# Altium PCB PrototypeSingle.PcbDoc (part 2 of 3) (continued)
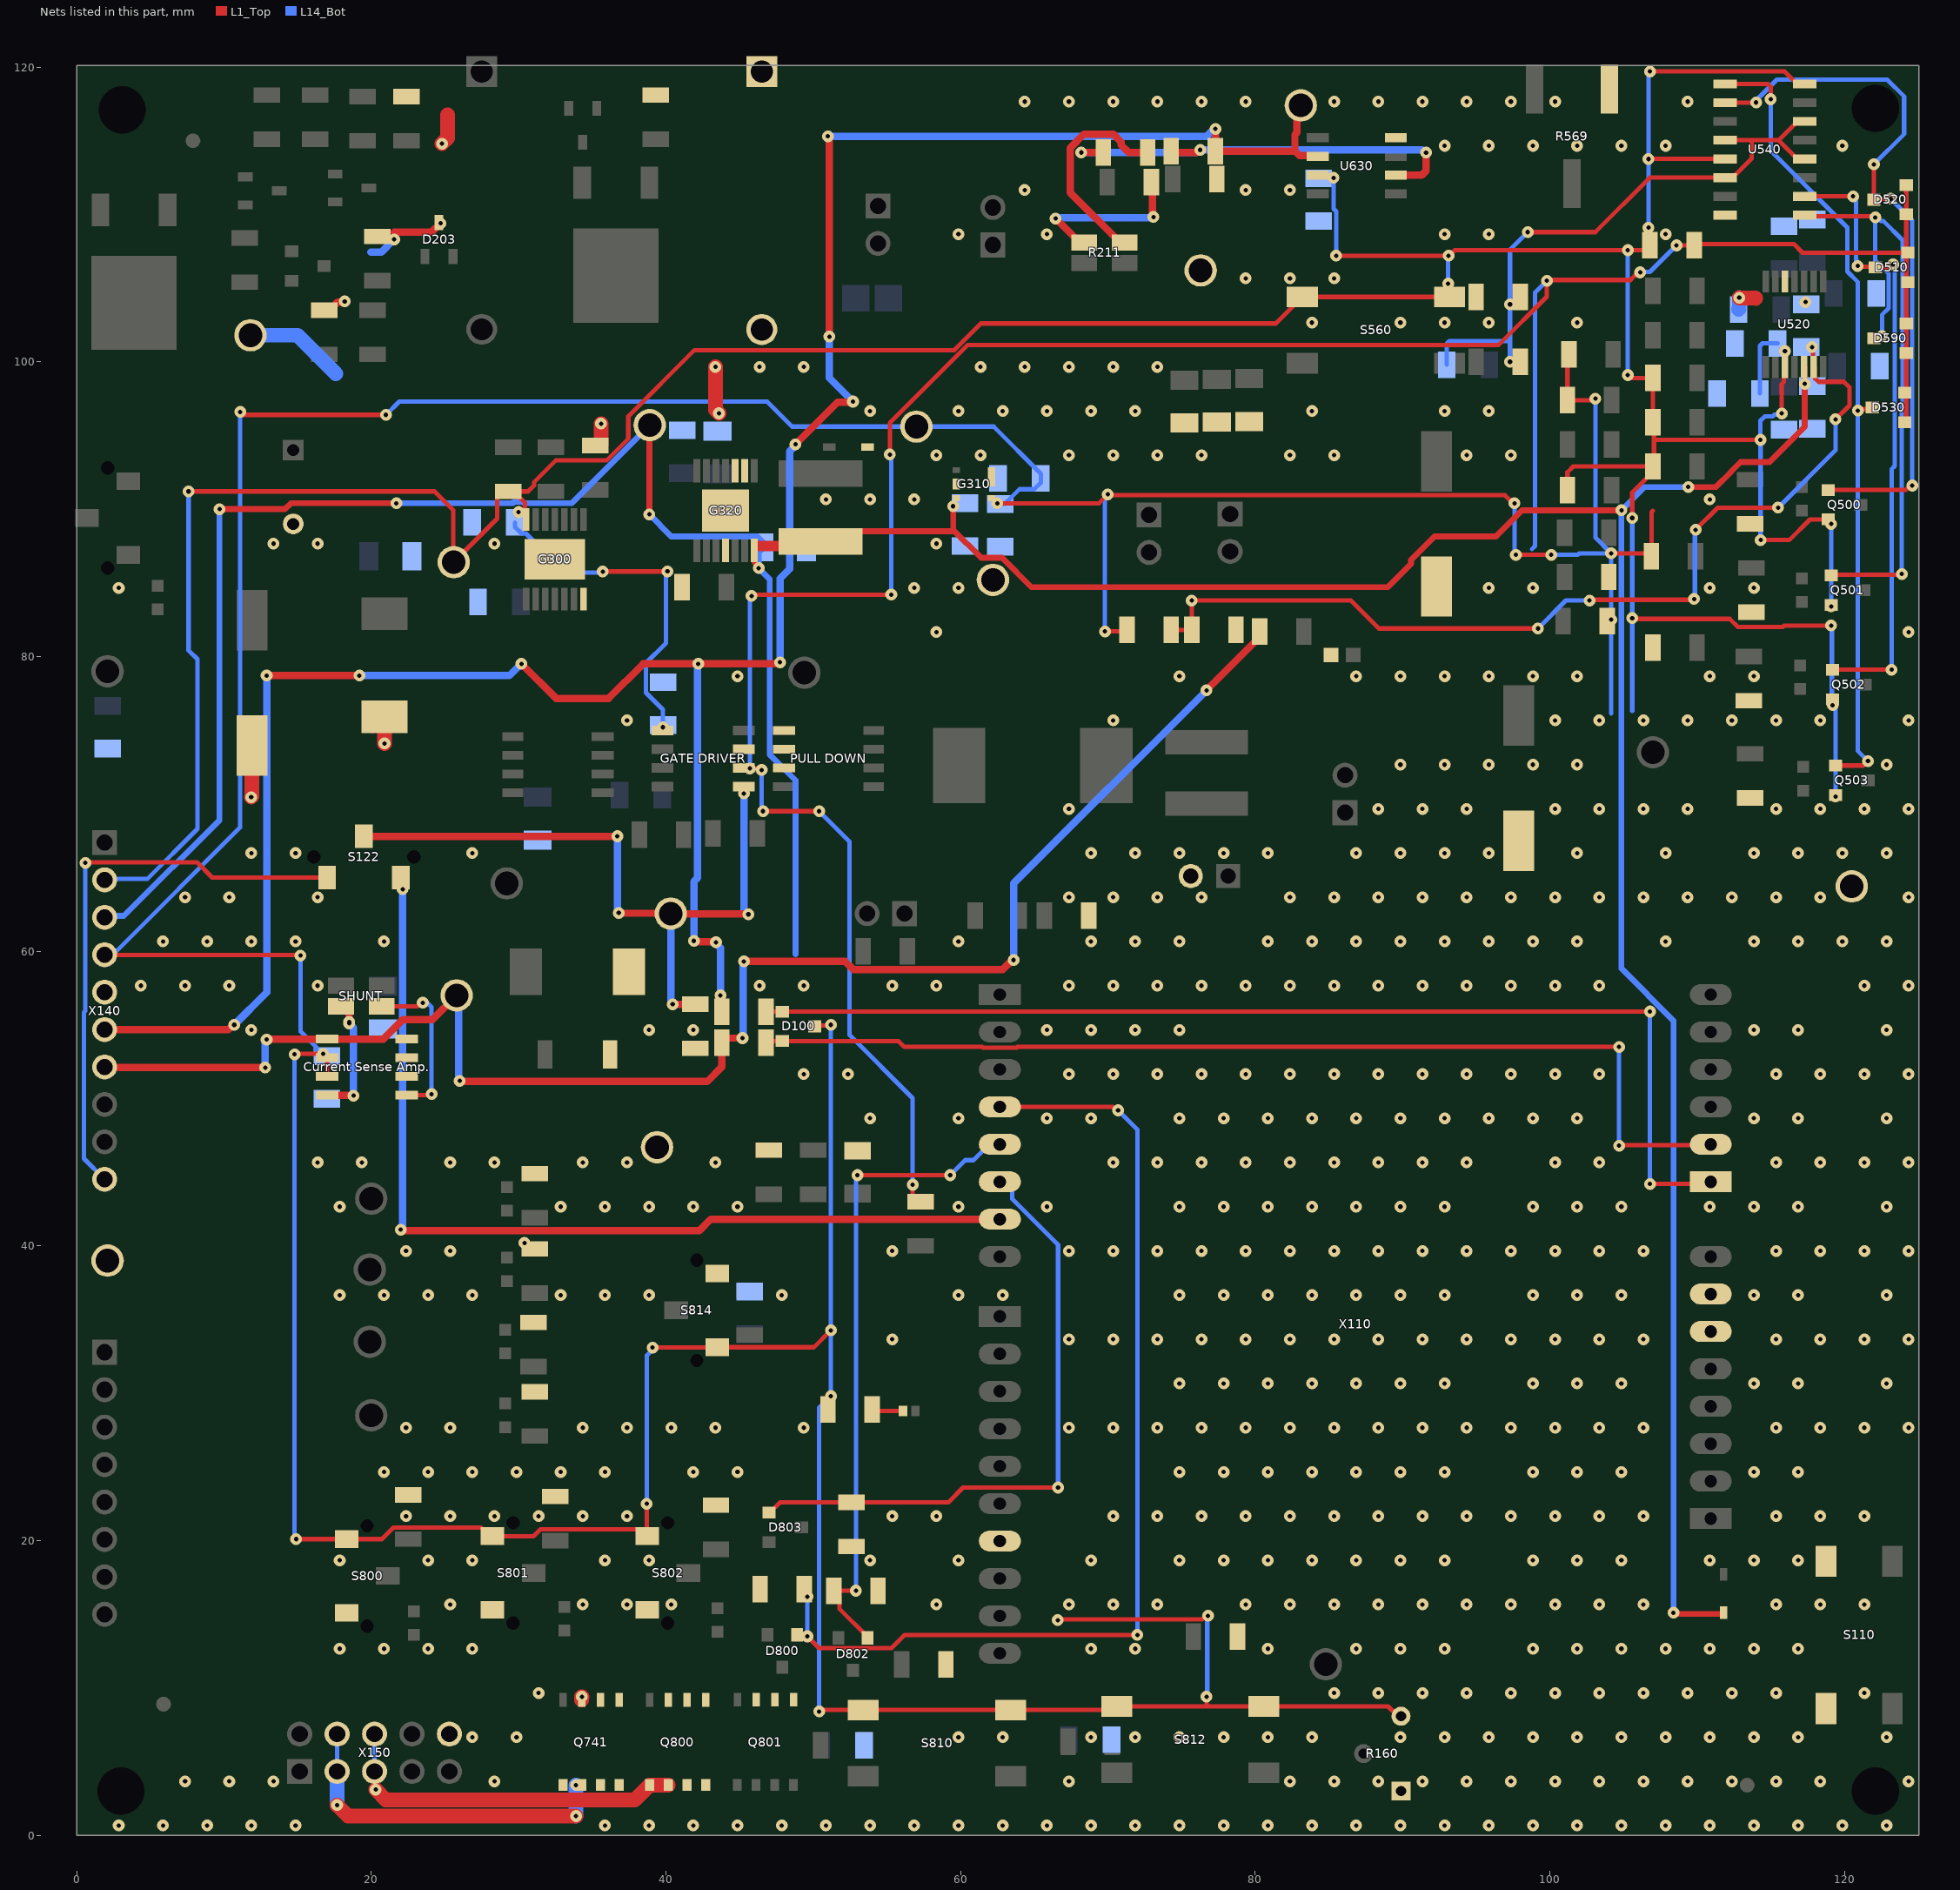
[diagram p2: the nets of this part, all layers, seen from the top]
## Part data (continued)
X150: library part 638630, "WR-BHD Male Box Header, 2.54mm pitch, 10 pin, Vertical, Double row", Manufacturer="Wurth Elektronik", Package Description="Connector, THT, 2.54mm Pitch; 10 Pins, 9.10 mm L X 20.36 mm W X 9.25 mm H body", Supplier Part Number 1=1642019, Temperature max=105, Temperature min=-40, Temperature Range=Industrial, Voltage DC (max)=na, Article Number=638630, Automotive Qualified=No, Combined Parameters="Board-to-Board/Cable Header (male);5x2;Mounting:THT;Orient:0° (vertical);Shielded:No", ComponentLink1Description="Vendor WebSite", ComponentLink1URL=http://www.we-online.com, ComponentLink2Description=Datasheet, ComponentLink2URL=http://webnetprod.muc.infineon.com/PCBPortal_Prod/WorkFlows/AltiumComponent/StandardDocumentation?Versionid=638631, ComponentStatus=Released, Legacy DeviceID=WE_61201021621, Manufacturer Order Number=61201021621, PackageReference=THT, Part Type=Connector, PLMStatus=Active, QuickPick="0° (vertical) / Board-to-Board/Cable", RoHS Compliant=Y, Second Source allowed=Yes, Style=Strip, Supplier 1=Farnell, Supplier 2=DigiKey, Supplier 3=Mouser, Supplier Part Number 2=732-2094-ND, Supplier Part Number 3=710-61201021621, Type=Board-to-Board/Cable, Version Number=V01
X400: library part 614137, "Through Hole .025'' SQ Post Socket, 2.54mm pitch, 2 Pins", Manufacturer=Samtec, Package Description="Header, THT, 2.54mm pitch, 2 pin, 5.59mm L X 2.41mm W X 8.64mm H body", Supplier Part Number 1=200-SSW10201GS, Temperature max=125, Temperature min=-55, Temperature Range=Military, Voltage DC (max)=na, Application="Standard Interface", Article Number=614137, Automotive Qualified=No, Combined Parameters="Board-to-Board/Cable Socket (female);2x1;Mounting:THT;Orient:0° (vertical);Shielded:Yes", ComponentLink1Description="Vendor WebSite", ComponentLink1URL=http://www.samtec.com/, ComponentLink2Description=Datasheet, ComponentLink2URL=http://webnetprod.muc.infineon.com/PCBPortal_Prod/WorkFlows/AltiumComponent/StandardDocumentation?Versionid=614138, ComponentStatus=Released, Legacy DeviceID=SAM_SSW-102-01-G-S, Manufacturer Order Number=SSW-102-01-G-S, PackageReference=THT, Part Type=Connector, PLMStatus=Active, QuickPick="0° (vertical) / Board-to-Board/Cable", RoHS Compliant=Y, Second Source allowed=Yes, Style=Strip, Supplier 1=Farnell, Supplier 2=DigiKey, Supplier 3=Mouser, Supplier Part Number 2=SAM1209-02-ND, Supplier Part Number 3=1668331, Type=Board-to-Board/Cable, Version Number=V01

## Via types
v1: diameter 0.8, hole 0.3, L1_Top to L14_Bot, tented both sides, 970 vias

## Nets (pads, with @x,y where several pads share a name; then routed paths per layer and width w, separated by ;. In a path a pad name is that pad's centre, name@x,y a point inside that pad or via, vN(x,y) a via of type N, cw(c..) or ccw(c..) an arc to the next point about the centre after c; other vN are vias at no path point)
3V3: "Current Sense Amp..6" "Current Sense Amp..7" C311.2 C312.2 C401.2 D100.3 G310.4 R160.3 R170.2 R500.2 R504.2 R532.2 R560.1 R562.2 S800.1 S801.1 S802.1 S810.3 S810.4 S812.3 S812.4 S814.1 TP310.1 X140.4 | length 404.3
  L1_Top w0.3: X140.4@1.901,59.759 1.93,59.729 15.171,59.729 v1(15.2,59.7) ; v1(11.101,96.599) 11.301,96.399 v1(21.001,96.399) ; v1(14.8,53) 14.829,53.029 v1(16.726,53.029) 16.726,52.893 17.001,52.619 17.001,51.499 ; v1(14.9,20.1) S800.1@18.323,20.1 20.721,20.1 21.496,20.875 27.448,20.875 28.023,20.3 S801.1@28.223,20.3 31.021,20.3 31.496,20.775 38.048,20.775 38.523,20.3 S802.1@38.723,20.3 38.7,20.323 v1(38.7,22.5) ; v1(39.1,33.1) 43.477,33.1 S814.1@43.5,33.123 50.053,33.123 v1(51.2,34.27) ; D100.3@50.101,54.899 50.151,54.949 51.149,54.949 v1(51.2,55) ; v1(50.4,8.4) 50.5,8.5 S810.4@53.4,8.5 S810.3@63.4,8.5 70.35,8.5 S812.4@70.6,8.75 76.701,8.75 ; R170.2@51,28.9 51,29.6 v1(51.2,29.8) ; v1(62.501,90.399) 69.399,90.399 v1(70,91) 70.051,90.949 96.949,90.949 97.499,90.399 v1(97.601,90.399) ; v1(66.6,14.6) 66.65,14.65 76.415,14.65 76.665,14.9 v1(76.8,14.9) ; v1(69.801,81.699) 71.201,81.699 R504.2@71.301,81.799 ; v1@76.701,9.399 76.701,8.75 ; R160.3@89.9,8.08 89.691,8.08 89.021,8.75 S812.3@80.6,8.75 76.701,8.75 ; v1(97.701,86.899) v1(100.101,86.899) ; R560.1@101.301,100.499 101.201,100.399 R562.2@101.201,97.399 103.001,97.399 v1(103.101,97.499) ; R500.2@103.901,82.399 104.004,82.502 v1(104.166,82.502) ; v1(104.166,86.999) 106.701,86.999 R532.2@106.901,86.799 106.901,89.799 107.001,89.899
  L14_Bot w0.3: X140.4@2.301,59.599 2.301,59.78 2.547,60.027 2.729,60.027 11.101,68.399 v1(11.101,96.599) ; v1(14.8,53) 14.8,20.2 v1(14.9,20.1) ; v1(15.2,59.7) 15.2,54.555 16.251,53.504 16.251,53.329 16.551,53.029 v1(16.726,53.029) ; v1(21.001,96.399) 21.902,97.3 46.868,97.3 48.569,95.599 TP310.1@57.001,95.599 62.251,95.599 65.451,92.399 C312.2@65.451,92.099 65.451,91.799 65.001,91.349 64.001,91.349 63.001,90.349 C311.2@62.701,90.349 ; v1(38.7,22.5) 38.7,32.565 39.1,32.965 v1(39.1,33.1) ; v1(50.4,8.4) 50.4,29 v1(51.2,29.8) v1(51.2,34.27) v1(51.2,55) ; v1(69.801,81.699) 69.801,90.665 70,90.865 v1(70,91) ; v1(76.7,9.4) 76.75,9.45 76.75,14.85 v1(76.8,14.9) ; v1(97.601,90.399) 97.601,86.999 v1(97.701,86.899) ; v1(100.101,86.899) 101.901,86.899 102.001,86.999 v1(104.166,86.999) 103.101,88.064 v1(103.101,97.499) ; 104.166,76.133 v1(104.166,82.502) v1@104.166,86.964
5V: C310.2 C324.2 C522.2 D112.2 G310.3 G320.7 L320.2 TP320.1 U520.5 X140.3 | length 271.2
  L1_Top w0.4: v1(9.701,89.999) 14.145,89.999 14.546,90.4 v1(21.7,90.4) ; v1(38.874,89.639) 38.888,89.652 38.888,95.686 TP320.1@38.901,95.699 ; 46.026,86.382 46.3,86.108 v1(46.3,86) ; L320.2@50.001,87.299 51.201,88.499 59.401,88.499 59.501,88.599 ; v1(59.501,90.198) 59.501,88.599 ; v1(104.866,89.919) 98.111,89.919 96.338,88.146 92.174,88.146 90.582,86.554 90.582,86.29 88.991,84.699 64.822,84.699 62.822,86.699 61.401,86.699 59.501,88.599 ; v1(108.4,15.1) 108.477,15.023 111.75,15.023 111.8,14.973 D112.2@111.8,14.9 ; v1(109.401,91.499) 111.291,91.499 112.301,92.509 112.301,92.548 112.951,93.199 114.922,93.199 117.313,95.589 v1(117.313,98.499) 117.288,98.524 117.288,99.624 U520.5@117.263,99.649
  L1_Top w0.7: G320.7@46.126,87.499 49.801,87.499 L320.2@50.001,87.299
  L14_Bot w0.4: X140.3@1.801,62.399 3.201,62.399 9.701,68.899 v1(9.701,89.999) ; v1(21.7,90.4) 29.612,90.4 29.711,90.499 30.291,90.499 30.389,90.4 33.602,90.4 TP320.1@38.901,95.699 ; v1(38.874,89.639) 40.363,88.15 46.2,88.15 46.65,87.7 C324.2@46.65,87.4 46.3,87.05 v1(46.3,86) 47.043,85.257 47.043,73.353 48.801,71.595 48.801,59.799 ; v1(108.4,15.1) 108.4,55.29 104.866,58.824 v1(104.866,89.919) 106.446,91.499 v1(109.401,91.499)
12V: "GATE DRIVER.5" C301.2 C400.2 C520.1 C540.2 C630.2 G300.14 Q500.2 Q501.2 Q502.2 Q503.2 R301.1 R501.2 R503.2 R509.2 R527.2 R565.2 S560.3 S560.4 TP300.1 U520.3 U540.5 U540.16 U630.7 X140.2 | length 314.8
  L1_Top w0.3: v1(7.6,91.2) 24.3,91.2 25.569,89.931 25.569,86.431 TP300.1@25.6,86.4 28.551,89.351 28.551,90.824 28.926,91.199 R301.1@29.676,91.199 ; G300.14@30.426,89.374 30.426,90.449 R301.1@29.676,91.199 ; v1(35.722,85.756) 35.732,85.767 40.098,85.767 v1(40.109,85.778) ; v1(85.501,107.199) v1(93.127,107.199) 93.178,107.199 93.553,107.574 v1(105.301,107.574) 106.476,107.574 R503.2@106.801,107.899 106.801,108.999 v1(106.701,109.099) ; v1(93.101,105.299) 93.101,104.499 S560.3@93.201,104.399 S560.4@83.201,104.399 81.402,102.6 61.386,102.6 59.576,100.791 41.942,100.791 37.451,96.299 37.451,94.78 35.974,93.304 32.527,93.304 31.051,91.827 31.051,91.599 30.651,91.199 R301.1@29.676,91.199 ; R565.2@101.201,91.299 101.201,92.499 101.601,92.899 R509.2@107.001,92.899 ; v1(105.301,99.099) 105.436,99.099 105.636,98.899 R527.2@107.001,98.899 R501.2@107.001,95.899 107.076,95.823 107.076,94.699 ; v1(105.601,82.599) 105.651,82.549 112.218,82.549 112.768,81.999 115.817,81.999 115.917,82.099 v1(119.101,82.099) ; v1(105.601,89.399) 105.601,91.124 107.001,92.524 R509.2@107.001,92.899 ; v1(106.701,113.758) 106.706,113.764 U540.5@111.901,113.764 ; v1(106.801,119.699) 115.946,119.699 116.801,118.844 U540.16@117.301,118.844 ; v1(114.301,94.699) 107.076,94.699 ; v1(114.314,87.896) 116.252,87.896 117.654,89.299 Q500.2@118.901,89.299 ; v1(115.751,96.499) 115.751,98.468 115.888,98.605 115.888,99.574 U520.3@115.963,99.649 ; R509.2@107.001,92.899 107.076,92.974 107.076,94.699
  L14_Bot w0.3: X140.2@2.001,64.899 4.799,64.899 8.2,68.3 8.2,79.812 7.6,80.412 v1(7.6,91.2) ; C301.2@29.751,89.099 29.751,88.799 30.201,88.349 30.501,88.349 33.151,85.699 35.78,85.699 v1(35.722,85.756) ; v1(39.801,75.199) C400.2@39.801,75.349 39.801,76.395 38.651,77.545 38.651,79.551 40.013,80.913 40.013,85.682 v1(40.109,85.778) ; v1(85.326,112.486) 85.326,110.377 85.501,110.202 v1(85.501,107.199) ; v1(93.101,105.299) 93.101,107.172 v1(93.127,107.199) ; v1(105.301,99.099) v1(105.301,107.574) ; 105.601,76.299 v1(105.601,82.599) v1(105.601,89.399) ; v1(106.701,109.099) v1(106.701,113.758) 106.701,119.599 v1(106.801,119.699) ; C540.2@114.263,97.849 114.263,101.073 114.438,101.249 C520.1@115.463,101.249 ; v1(114.314,87.896) 114.308,87.903 114.308,94.692 v1(114.301,94.699) 114.301,95.999 114.601,96.299 115.132,96.299 115.236,96.403 115.655,96.403 v1(115.751,96.499) ; v1(119.101,82.099) 119.151,82.049 119.151,76.749 v1(119.201,76.699) ; v1(119.101,83.399) v1(119.101,88.999) ; v1(119.401,70.499) v1@119.401,76.523
  other v1: 30.001,89.799 115.963,100.724
\Cntrl1: D800.1 R100.1 X110.4D | length 70.8
  L1_Top w0.3: D800.1@48.9,13.6 49,13.5 v1(49.6,13.5) 50.4,12.7 55.321,12.7 56.221,13.6 v1(72,13.6) ; X110.4D@62.67,49.432 70.333,49.432 70.565,49.2 v1(70.7,49.2)
  L14_Bot w0.3: v1(49.6,13.5) v1(49.6,16.2) ; v1(70.7,49.2) 72,47.9 v1(72,13.6)
\Cntrl2: D802.1 R101.1 X110.5D | length 44.4
  L1_Top w0.3: v1(52.9,16.6) R101.1@51.4,16.6 51.775,16.225 51.775,15.375 53.7,13.45 D802.1@53.7,13.4 ; v1(53,44.8) v1(59.3,44.8)
  L14_Bot w0.3: v1(52.9,16.6) 52.9,44.7 v1(53,44.8) ; v1(59.3,44.8) 60.32,45.82 60.887,45.82 61.958,46.892 X110.5D@62.67,46.892
\Cntrl3: D803.1 R102.1 X110.6D | length 42.9
  L1_Top w0.3: D803.1@47,21.9 47.05,21.9 47.75,22.6 R102.1@52.6,22.6 59.175,22.6 60.175,23.6 v1(66.625,23.6)
  L14_Bot w0.3: X110.6D@62.67,44.352 62.985,44.352 63.503,43.834 63.503,43.191 66.625,40.069 v1(66.625,23.6)
\Flag_Overcurr: D520.3 Q500.1 U540.2 | length 48.3
  L1_Top w0.3: U540.2@111.901,117.574 111.913,117.586 113.988,117.586 v1(114.001,117.599) ; Q500.1@118.901,91.299 124.165,91.299 124.465,91.599 v1(124.601,91.599) ; v1(122.001,113.399) D520.3@122.001,110.999 122.034,111.032 123.114,111.032 v1(123.147,111.064)
  L14_Bot w0.3: v1(114.001,117.599) 114.001,117.734 114.351,118.084 114.351,118.087 115.412,119.149 122.908,119.149 124.051,118.006 124.051,115.449 v1(122.001,113.399) ; v1(123.147,111.064) 124.601,109.611 v1(124.601,91.599)
\Flag_Overtemp_Ext: D510.3 Q502.1 U540.10 | length 42.4
  L1_Top w0.3: U540.10@117.301,111.224 120.576,111.224 120.601,111.199 120.601,111.215 v1(120.592,111.224) ; Q502.1@119.201,79.099 v1(123.201,79.099) ; v1(120.901,106.499) 120.951,106.449 122.051,106.449 D510.3@122.101,106.399 122.965,106.399 123.165,106.599 v1(123.301,106.599)
  L14_Bot w0.3: v1(120.592,111.224) 120.592,111.089 120.801,110.88 120.801,106.924 120.805,106.92 120.805,106.594 v1(120.901,106.499) ; v1(123.201,79.099) 123.201,92.71 123.413,92.922 123.413,106.351 123.301,106.463 v1(123.301,106.599)
\Flag_Overtemp_Int: D530.3 Q503.1 U540.1 | length 55.1
  L1_Top w0.3: U540.1@111.901,118.844 114.825,118.844 115.001,118.668 v1(115.001,117.818) ; Q503.1@119.401,72.599 121.301,72.599 v1(121.601,72.899) ; v1(120.91,96.689) 121.006,96.785 121.787,96.785 D530.3@121.901,96.899
  L14_Bot w0.3: v1(115.001,117.818) 115.001,114.314 120.201,109.114 120.201,106.13 120.901,105.43 120.901,96.699 v1(120.91,96.689) ; v1@120.901,96.689 120.901,73.599 v1(121.601,72.899)
\Flag_Undervolt: D590.3 Q501.1 U540.9 | length 44.1
  L1_Top w0.3: U540.9@117.301,109.954 117.378,109.876 122.023,109.876 v1(122.101,109.799) ; Q501.1@119.101,85.499 119.151,85.549 123.851,85.549 v1(123.901,85.599) ; D590.3@122.001,101.599 122.069,101.667 122.482,101.667 v1(122.551,101.736)
  L14_Bot w0.3: v1(122.551,101.736) 122.551,103.183 123.013,103.645 123.013,105.967 122.101,106.879 v1(122.101,109.799) 122.236,109.799 122.476,109.559 122.639,109.559 123.951,108.247 123.951,97.038 123.901,96.988 v1(123.901,85.599)
\Shutdown: "GATE DRIVER.2" D510.1 D510.2 D520.1 D520.2 D530.1 D530.2 D590.1 D590.2 R112.1 R503.1 | length 180.4
  L1_Top w0.3: 45.301,72.429 45.671,72.429 v1(45.701,72.399) 46.401,72.399 v1(46.5,72.3) ; v1(45.813,84.103) 45.909,84.199 v1(55.301,84.199) ; v1(46.6,69.5) v1(50.4,69.5) ; v1(55.201,93.699) 55.201,95.849 60.5,101.149 96.529,101.149 99.801,104.42 v1(99.801,105.499) 99.851,105.549 105.484,105.549 106.003,106.068 v1(106.139,106.068) ; v1(56.75,44.15) 56.75,43.375 57.125,43 R112.1@57.3,43 ; v1(108.601,107.899) R503.1@109.801,107.899 109.901,107.999 116.563,107.999 117.163,107.399 D510.2@124.201,107.399 ; D530.1@124.101,95.899 124.201,95.999 D590.1@124.201,100.599 D590.2@124.201,102.599 D510.2@124.201,107.399 ; D520.2@124.201,111.999 D520.1@124.201,109.999 D510.2@124.201,107.399 ; D510.2@124.301,107.399 D510.2@124.201,107.399
  L14_Bot w0.3: v1(45.701,72.399) 45.701,83.799 46.001,84.099 45.996,84.103 v1(45.813,84.103) ; v1(46.5,72.3) 46.5,69.6 v1(46.6,69.5) ; v1(50.4,69.5) 52.461,67.439 52.461,54.32 56.75,50.031 v1(56.75,44.15) ; v1(55.201,93.699) 55.301,93.599 v1(55.301,84.199) ; 98.801,87.299 99.001,87.499 99.001,104.699 v1(99.801,105.499) ; v1(106.139,106.068) 106.169,106.099 106.801,106.099 v1(108.601,107.899)
AREF: R170.1 X105.2 | length 2.1
  L1_Top w0.3: R170.1@54,28.9 54.1,28.8 X105.2@56.1,28.8
Buck_Cntrl: "GATE DRIVER.1" R122.1 S122.2 TP400.1 | length 47.9
  L1_Top w0.5: S122.2@19.501,67.799 36.599,67.799 36.6,67.8 v1(36.7,67.8) ; v1(36.8,62.6) 36.826,62.574 40.305,62.574 TP400.1@40.331,62.549 40.355,62.524 45.576,62.524 v1(45.6,62.5) ; v1(40.461,56.395) 40.464,56.397 41.997,56.397 R122.1@42,56.4 ; v1(45.3,70.7) 45.3,71.158
  L14_Bot w0.5: v1(36.7,67.8) 36.7,62.7 v1(36.8,62.6) ; TP400.1@40.331,62.549 40.331,56.569 40.5,56.4 40.495,56.395 v1(40.461,56.395) ; v1(45.3,70.7) 45.3,62.8 v1(45.6,62.5)
Buck_Cntrl_Arduino: S122.3 X110.7D | length 65
  L1_Top w0.5: v1(22,41.1) 22.081,41.1 22.156,41.025 42.263,41.025 43.05,41.812 X110.7D@62.67,41.812 ; S122.3@22.001,64.999 22.133,64.866 v1(22.133,64.201)
  L14_Bot w0.5: v1(22,41.1) 22.133,41.233 v1(22.133,64.201)
Buck_Cntrl_Ext: S122.1 X140.10 | length 39
  L1_Top w0.3: v1(0.596,65.996) 0.639,66.039 8.169,66.039 9.209,64.999 S122.1@17.001,64.999
  L14_Bot w0.3: v1(0.596,65.996) 0.596,55.938 0.5,55.842 0.5,45.919 X140.10@1.901,44.519
Curr_In+: R211.4 R631.1 | length 11.7
  L1_Top w0.5: v1(66.452,109.723) 68.075,108.1 R211.4@68.4,108.1 ; R631.1@72.961,112.2 73.034,112.126 73.034,109.886 v1(73.092,109.828)
  L14_Bot w0.5: v1(66.452,109.723) 66.504,109.776 73.04,109.776 v1(73.092,109.828)
Curr_In-: R211.3 R633.1 | length 14.4
  L1_Top w0.5: R211.3@71.15,108.1 70.825,108.1 67.45,111.475 67.45,114.511 68.389,115.45 70.37,115.45 70.897,114.922 70.897,114.728 71.425,114.2 R633.1@72.7,114.2
Curr_Thresh: C505.2 R504.1 R505.2 U520.6 | length 65
  L1_Top w0.3: R504.1@74.301,81.799 R505.2@75.701,81.799 v1(75.701,83.799) 86.501,83.799 88.401,81.899 v1(99.201,81.899) ; v1(102.701,83.799) 102.751,83.849 109.751,83.849 v1(109.801,83.899) ; v1(109.901,88.599) 111.401,90.099 v1(115.501,90.099) ; v1(117.801,100.999) 117.857,100.943 117.857,99.705 117.988,99.574 117.988,98.895 118.244,98.639 119.96,98.639 120.341,98.258 120.341,97.039 v1(119.401,96.099)
  L14_Bot w0.3: v1(99.201,81.899) 101.101,83.799 v1(102.701,83.799) ; v1(109.801,83.899) 109.851,83.949 109.851,88.549 v1(109.901,88.599) ; v1(115.501,90.099) 119.401,93.999 v1(119.401,96.099)
Fault_Reset: C500.2 R507.1 R508.1 U540.4 U540.6 U540.12 U540.14 | length 42.5
  L1_Top w0.3: v1(97.301,99.999) R507.1@98.001,99.999 ; v1(98.501,108.799) 103.096,108.799 106.791,112.494 112.401,112.494 113.701,113.794 113.701,115.034 ; U540.4@111.901,115.034 113.701,115.034 ; U540.12@117.301,113.764 116.801,113.764 115.531,115.034 ; U540.14@117.301,116.304 116.801,116.304 115.531,115.034 ; 113.701,115.034 115.531,115.034
  L14_Bot w0.3: C500.2@93.001,99.799 93.001,101.223 93.176,101.399 97.286,101.399 97.301,101.414 ; v1(97.301,99.999) 97.301,101.414 ; v1(98.501,108.799) 97.301,107.599 v1(97.301,103.899) 97.301,101.414
GND: "Current Sense Amp..2" "Current Sense Amp..3" "Current Sense Amp..4" "GATE DRIVER.3" "PULL DOWN.1" "PULL DOWN.2" "PULL DOWN.3" C210.2 C212.2 C213.1 C220.2 C221.1 C300.1 C301.1 C310.1 C311.1 C312.1 C320.1 C321.1 C324.1 C400.1 C401.1 C404.1 C505.1 C506.1 C520.2 C521.1 C522.1 C530.1 C533.1 C540.1 C560.1 C561.1 C630.1 C700.1 C701.2 C710.1 C711.1 C712.1 C715.2 C811.1 C813.1 C814.1 D203.3 D211.2 D320.2 D730.2 D731.2 G300.7 G300.15 G310.2 G310.5 G320.4 G320.9 G320.10 G320.15 NTC.1 Q741.1 Q741.2 Q741.3 Q800.1 Q800.2 Q800.3 Q801.1 Q801.2 Q801.3 R100.2 R101.2 R102.2 R122.2 R160.1 R200.1 R209.1 R210.2 R212.2 R221.2 R303.1 R320.2 R502.1 R505.1 R508.2 R511.1 R551.2 R552.1 R553.1 R554.2 R569.1 R632.2 R722.2 R800.2 R801.2 R802.2 R803.2 R804.2 R805.2 R806.2 R810.2 R812.2 S110.1 S110.2 S800.3 S801.3 S802.3 S814.3 TP100.1 TP101.1 TP102.1 TP103.1 TP104.1 TP105.1 U520.12 U540.8 U630.4 X101.1 X101.2 X110.6A X110.7A X110.7C X140.5 X150.10 X400.2 | length 29.7
  L1_Top w0.5: R212.2@16.801,103.499 17.176,103.499 17.72,104.043 18.143,104.043 v1(18.2,104.1) ; 21.55,108.8 24.1,108.8 v1(24.7,109.4)
  L1_Top w1: v1(11.85,70.45) 11.901,70.501 C212.2@11.901,73.949 ; D211.2@20.1,75.299 20.7,75.899 D211.2@20.901,75.899 ; v1(20.9,74.1) D211.2@20.901,75.899 ; v1(24.8,114.8) 25.179,115.179 25.179,116.747 ; Q741.3@34.288,9.194 34.288,9.388 v1(34.3,9.4) ; R303.1@35.201,94.309 35.575,94.309 35.6,94.334 v1(35.6,95.8) ; v1(43.36,99.658) 43.36,98.65 43.37,98.641 43.37,96.73 v1(43.6,96.5) ; v1(112.862,104.349) 112.885,104.326 113.962,104.326 113.986,104.302
  L14_Bot w0.5: 19.957,107.443 20.69,107.443 v1(21.55,108.302)
  L14_Bot w1: TP102.1@11.8,101.8 15,101.8 17.6,99.2 ; C530.1@112.813,103.549 112.862,103.598 v1(112.862,104.349)
  other v1: 2.86,0.658 5.86,0.658 8.86,0.658 11.86,0.658 14.86,0.658 35.86,0.658 38.86,0.658 41.86,0.658 44.86,0.658 47.86,0.658 50.86,0.658 53.86,0.658 56.86,0.658 59.86,0.658 62.86,0.658 65.86,0.658 68.86,0.658 71.86,0.658 74.86,0.658 77.86,0.658 80.86,0.658 83.86,0.658 86.86,0.658 89.86,0.658 92.86,0.658 95.86,0.658 98.86,0.658 101.86,0.658 104.86,0.658 107.86,0.658 110.86,0.658 113.86,0.658 116.86,0.658 119.86,0.658 122.86,0.658 7.36,3.658 10.36,3.658 13.36,3.658 28.36,3.658 67.36,3.658 82.36,3.658 85.36,3.658 88.36,3.658 91.36,3.658 94.36,3.658 97.36,3.658 100.36,3.658 103.36,3.658 106.36,3.658 109.36,3.658 112.36,3.658 115.36,3.658 118.36,3.658 124.36,3.658 26.86,6.658 29.86,6.658 59.86,6.658 62.86,6.658 68.86,6.658 71.86,6.658 74.86,6.658 77.86,6.658 80.86,6.658 83.86,6.658 89.86,6.658 92.86,6.658 95.86,6.658 98.86,6.658 101.86,6.658 104.86,6.658 107.86,6.658 110.86,6.658 113.86,6.658 116.86,6.658 122.86,6.658 31.36,9.658 85.36,9.658 88.36,9.658 91.36,9.658 94.36,9.658 97.36,9.658 100.36,9.658 103.36,9.658 106.36,9.658 109.36,9.658 112.36,9.658 115.36,9.658 121.36,9.658 17.86,12.658 20.86,12.658 23.86,12.658 26.86,12.658 68.86,12.658 71.86,12.658 80.86,12.658 86.86,12.658 89.86,12.658 92.86,12.658 98.86,12.658 101.86,12.658 104.86,12.658 107.86,12.658 110.86,12.658 113.86,12.658 116.86,12.658 25.36,15.658 34.36,15.658 37.36,15.658 40.36,15.658 58.36,15.658 67.36,15.658 70.36,15.658 73.36,15.658 79.36,15.658 82.36,15.658 85.36,15.658 88.36,15.658 91.36,15.658 94.36,15.658 97.36,15.658 100.36,15.658 103.36,15.658 106.36,15.658 115.36,15.658 118.36,15.658 121.36,15.658 17.86,18.658 23.86,18.658 26.86,18.658 35.86,18.658 38.86,18.658 53.86,18.658 59.86,18.658 68.86,18.658 74.86,18.658 77.86,18.658 80.86,18.658 83.86,18.658 86.86,18.658 89.86,18.658 92.86,18.658 98.86,18.658 101.86,18.658 104.86,18.658 110.86,18.658 113.86,18.658 116.86,18.658 22.36,21.658 25.36,21.658 28.36,21.658 31.36,21.658 34.36,21.658 37.36,21.658 55.36,21.658 58.36,21.658 70.36,21.658 73.36,21.658 76.36,21.658 79.36,21.658 82.36,21.658 85.36,21.658 88.36,21.658 91.36,21.658 94.36,21.658 97.36,21.658 100.36,21.658 103.36,21.658 106.36,21.658 115.36,21.658 118.36,21.658 121.36,21.658 20.86,24.658 23.86,24.658 26.86,24.658 29.86,24.658 32.86,24.658 35.86,24.658 41.86,24.658 44.86,24.658 74.86,24.658 77.86,24.658 80.86,24.658 83.86,24.658 86.86,24.658 89.86,24.658 92.86,24.658 98.86,24.658 101.86,24.658 104.86,24.658 113.86,24.658 116.86,24.658 22.36,27.658 25.36,27.658 34.36,27.658 37.36,27.658 40.36,27.658 43.36,27.658 49.36,27.658 67.36,27.658 70.36,27.658 73.36,27.658 76.36,27.658 79.36,27.658 82.36,27.658 85.36,27.658 88.36,27.658 91.36,27.658 94.36,27.658 97.36,27.658 100.36,27.658 103.36,27.658 106.36,27.658 115.36,27.658 118.36,27.658 121.36,27.658 124.36,27.658 74.86,30.658 77.86,30.658 80.86,30.658 83.86,30.658 86.86,30.658 89.86,30.658 92.86,30.658 98.86,30.658 101.86,30.658 104.86,30.658 113.86,30.658 116.86,30.658 122.86,30.658 55.36,33.658 67.36,33.658 70.36,33.658 73.36,33.658 76.36,33.658 79.36,33.658 82.36,33.658 85.36,33.658 88.36,33.658 91.36,33.658 94.36,33.658 97.36,33.658 100.36,33.658 103.36,33.658 106.36,33.658 115.36,33.658 118.36,33.658 121.36,33.658 124.36,33.658 17.86,36.658 20.86,36.658 23.86,36.658 26.86,36.658 32.86,36.658 35.86,36.658 38.86,36.658 47.86,36.658 59.86,36.658 62.86,36.658 74.86,36.658 77.86,36.658 80.86,36.658 83.86,36.658 86.86,36.658 89.86,36.658 92.86,36.658 98.86,36.658 101.86,36.658 104.86,36.658 113.86,36.658 116.86,36.658 122.86,36.658 22.36,39.658 25.36,39.658 55.36,39.658 67.36,39.658 70.36,39.658 73.36,39.658 76.36,39.658 79.36,39.658 82.36,39.658 85.36,39.658 88.36,39.658 91.36,39.658 94.36,39.658 97.36,39.658 100.36,39.658 103.36,39.658 106.36,39.658 115.36,39.658 118.36,39.658 121.36,39.658 124.36,39.658 30.4,40.2 17.86,42.658 32.86,42.658 35.86,42.658 38.86,42.658 41.86,42.658 44.86,42.658 59.86,42.658 65.86,42.658 74.86,42.658 77.86,42.658 80.86,42.658 83.86,42.658 86.86,42.658 89.86,42.658 92.86,42.658 98.86,42.658 101.86,42.658 104.86,42.658 110.86,42.658 113.86,42.658 116.86,42.658 122.86,42.658 16.36,45.658 19.36,45.658 25.36,45.658 28.36,45.658 34.36,45.658 37.36,45.658 43.36,45.658 70.36,45.658 73.36,45.658 76.36,45.658 79.36,45.658 82.36,45.658 85.36,45.658 88.36,45.658 91.36,45.658 94.36,45.658 100.36,45.658 103.36,45.658 115.36,45.658 118.36,45.658 121.36,45.658 124.36,45.658 53.86,48.658 59.86,48.658 65.86,48.658 68.86,48.658 74.86,48.658 77.86,48.658 80.86,48.658 83.86,48.658 86.86,48.658 89.86,48.658 92.86,48.658 95.86,48.658 98.86,48.658 101.86,48.658 113.86,48.658 116.86,48.658 122.86,48.658 49.36,51.658 52.36,51.658 67.36,51.658 70.36,51.658 73.36,51.658 76.36,51.658 79.36,51.658 82.36,51.658 85.36,51.658 88.36,51.658 91.36,51.658 94.36,51.658 97.36,51.658 100.36,51.658 103.36,51.658 115.36,51.658 118.36,51.658 121.36,51.658 124.36,51.658 11.86,54.658 38.86,54.658 41.86,54.658 65.86,54.658 68.86,54.658 71.86,54.658 74.86,54.658 113.86,54.658 116.86,54.658 122.86,54.658 4.36,57.658 7.36,57.658 10.36,57.658 16.36,57.658 46.36,57.658 49.36,57.658 55.36,57.658 58.36,57.658 67.36,57.658 70.36,57.658 73.36,57.658 76.36,57.658 79.36,57.658 82.36,57.658 85.36,57.658 88.36,57.658 91.36,57.658 94.36,57.658 97.36,57.658 100.36,57.658 103.36,57.658 121.36,57.658 124.36,57.658 5.86,60.658 8.86,60.658 11.86,60.658 14.86,60.658 20.86,60.658 59.86,60.658 68.86,60.658 71.86,60.658 74.86,60.658 80.86,60.658 83.86,60.658 86.86,60.658 89.86,60.658 92.86,60.658 95.86,60.658 98.86,60.658 101.86,60.658 107.86,60.658 113.86,60.658 116.86,60.658 119.86,60.658 122.86,60.658 7.36,63.658 10.36,63.658 16.36,63.658 67.36,63.658 70.36,63.658 73.36,63.658 76.36,63.658 82.36,63.658 85.36,63.658 88.36,63.658 91.36,63.658 94.36,63.658 97.36,63.658 100.36,63.658 103.36,63.658 106.36,63.658 109.36,63.658 112.36,63.658 115.36,63.658 118.36,63.658 124.36,63.658 11.86,66.658 14.86,66.658 26.86,66.658 68.86,66.658 71.86,66.658 74.86,66.658 77.86,66.658 80.86,66.658 86.86,66.658 89.86,66.658 92.86,66.658 95.86,66.658 101.86,66.658 107.86,66.658 113.86,66.658 116.86,66.658 119.86,66.658 122.86,66.658 67.36,69.658 88.36,69.658 91.36,69.658 94.36,69.658 100.36,69.658 103.36,69.658 106.36,69.658 109.36,69.658 115.36,69.658 118.36,69.658 121.36,69.658 124.36,69.658 89.86,72.658 92.86,72.658 95.86,72.658 98.86,72.658 101.86,72.658 122.86,72.658 37.36,75.658 70.36,75.658 100.36,75.658 103.36,75.658 106.36,75.658 109.36,75.658 112.36,75.658 115.36,75.658 118.36,75.658 124.36,75.658 44.86,78.658 74.86,78.658 86.86,78.658 89.86,78.658 92.86,78.658 95.86,78.658 98.86,78.658 101.86,78.658 110.86,78.658 113.86,78.658 58.36,81.658 124.36,81.658 2.86,84.658 56.86,84.658 59.86,84.658 95.86,84.658 98.86,84.658 110.86,84.658 113.86,84.658 13.36,87.658 16.36,87.658 28.36,87.658 58.36,87.658 50.86,90.658 53.86,90.658 56.86,90.658 110.86,90.658 58.36,93.658 61.36,93.658 67.36,93.658 70.36,93.658 73.36,93.658 76.36,93.658 82.36,93.658 85.36,93.658 94.36,93.658 97.36,93.658 53.86,96.658 59.86,96.658 62.86,96.658 65.86,96.658 68.86,96.658 71.86,96.658 83.86,96.658 92.86,96.658 95.86,96.658 46.36,99.658 49.36,99.658 61.36,99.658 64.36,99.658 67.36,99.658 70.36,99.658 73.36,99.658 83.86,102.658 89.86,102.658 92.86,102.658 95.86,102.658 101.86,102.658 117.353,104.049 79.36,105.658 82.36,105.658 85.36,105.658 59.86,108.658 65.86,108.658 92.86,108.658 95.86,108.658 107.86,108.658 64.36,111.658 79.36,111.658 82.36,111.658 92.86,114.658 95.86,114.658 98.86,114.658 101.86,114.658 104.86,114.658 107.86,114.658 119.86,114.658 64.36,117.658 67.36,117.658 70.36,117.658 73.36,117.658 76.36,117.658 79.36,117.658 85.36,117.658 88.36,117.658 91.36,117.658 94.36,117.658 97.36,117.658 100.36,117.658 109.36,117.658
In_Curr_ADC: D100.1 R110.1 X110.1B | length 76
  L1_Top w0.3: R110.1@46.801,55.899 D100.1@47.901,55.899 106.799,55.899 v1(106.8,55.9) ; v1(106.8,44.2) 110.778,44.2 X110.1B@110.93,44.352
  L14_Bot w0.3: v1@106.8,44.065 v1(106.8,44.2) v1(106.8,55.9)
Ind_Curr+: "Current Sense Amp..8" SHUNT.3 | length 8.4
  L1_Top w0.5: 17.001,50.229 17.015,50.214 18.786,50.214 v1(18.8,50.2) ; SHUNT.3@17.951,56.259 18.2,56.259 18.5,55.959 v1(18.5,55.2) v1(18.5,55.1)
  L14_Bot w0.5: v1(18.5,55.1) 18.8,54.8 v1(18.8,50.2)
Ind_Curr-: "Current Sense Amp..1" SHUNT.4 | length 11.3
  L1_Top w0.3: SHUNT.4@20.701,56.259 23.124,56.259 23.365,56.5 v1(23.5,56.5) ; 22.401,50.229 24.029,50.229 v1(24.1,50.3)
  L14_Bot w0.3: v1(23.5,56.5) 23.536,56.464 23.764,56.464 23.8,56.5 24.1,56.2 v1(24.1,50.3)
Inductor_Current: "Current Sense Amp..5" R111.2 R506.1 TP600.1 X140.7 | length 107.6
  L1_Top w0.5: X140.7@1.901,52.139 1.92,52.119 12.781,52.119 v1(12.8,52.1) ; v1(12.9,54) 12.919,54.019 16.981,54.019 17.001,54.039 20.831,54.039 22.148,55.356 24.158,55.356 TP600.1@25.801,56.999 ; v1(26,51.2) 26.051,51.149 42.801,51.149 43.801,52.149 43.801,53.825 44.076,54.1 v1(45.2,54.1) ; v1(45.3,59.3) 52.18,59.3 52.73,58.75 62.869,58.75 63.519,59.4 v1(63.6,59.4) ; v1(76.7,77.7) 76.7,77.723 80.301,81.324 R506.1@80.301,81.699
  L14_Bot w0.5: v1(12.8,52.1) 12.8,53.819 12.9,53.919 v1(12.9,54) ; TP600.1@25.801,56.999 25.943,56.857 25.943,51.257 v1(26,51.2) ; v1(45.2,54.1) 45.25,54.15 45.25,59.25 v1(45.3,59.3) ; v1(63.6,59.4) 63.6,64.6 v1(76.7,77.7)
Inductor_Current_ADC: D100.2 R111.1 X110.2B | length 71.1
  L1_Top w0.3: R111.1@46.801,53.799 46.901,53.899 D100.2@47.901,53.899 55.787,53.899 56.186,53.5 61.47,53.5 61.519,53.451 63.821,53.451 63.87,53.5 v1(104.7,53.5) ; v1@104.674,46.8 v1(104.7,46.8) 104.746,46.846 110.884,46.846 X110.2B@110.93,46.892
  L14_Bot w0.3: v1(104.7,46.8) v1(104.7,53.5)
Input_Current: R110.2 R634.2 TP630.1 U630.6 X140.6 | length 172.4
  L1_Top w0.5: X140.6@1.901,54.679 10.298,54.679 10.619,55 v1(10.7,55) ; v1(12.9,78.7) v1(19.2,78.7) ; v1(30.2,79.5) 32.55,77.15 36.116,77.15 38.466,79.5 v1(42.2,79.5) ; v1(41.9,60.7) 41.949,60.651 43.35,60.651 v1(43.399,60.601) ; v1@42.201,79.5 47.431,79.5 47.473,79.543 47.686,79.543 v1(47.743,79.6) ; v1(48.801,94.399) 51.643,97.241 52.643,97.241 v1(52.701,97.299) ; v1(51,115.3) 51,115.219 51.1,115.119 v1(51.1,101.7) ; R634.2@77.3,114.3 v1(77.3,115.8) ; R634.2@77.3,114.499 77.5,114.299 82.701,114.299 ; TP630.1@83.101,117.399 82.831,117.129 82.831,115.549 82.701,115.419 82.701,114.299 ; U630.6@84.251,113.934 84.201,113.984 83.016,113.984 82.701,114.299
  L14_Bot w0.5: v1(10.7,55) 12.9,57.2 v1(12.9,78.7) ; v1(19.2,78.7) 29.374,78.7 30.174,79.5 v1(30.2,79.5) ; v1(41.9,60.7) 41.9,64.728 42.142,64.97 42.142,78.959 ; 42.143,78.959 42.143,79.443 v1(42.2,79.5) ; v1(43.399,60.601) 43.399,60.52 43.7,60.219 v1(43.7,57) ; v1(47.743,79.6) 47.743,85.28 48.401,85.938 48.401,93.918 48.801,94.318 v1(48.801,94.399) ; v1(51,115.3) 76.719,115.3 77.219,115.8 v1(77.3,115.8) ; v1(51.1,101.7) 51.1,98.899 v1(52.701,97.299)
INV_TLV197: R633.2 R634.1 U630.2 | length 30.6
  L1_Top w0.5: v1(68.2,114.2) R633.2@69.7,114.2 ; R634.1@74.3,114.3 74.475,114.3 74.575,114.2 76.017,114.2 76.194,114.377 v1(76.275,114.377) ; U630.2@89.551,112.664 91.308,112.664 91.601,112.957 v1(91.601,114.199)
  L14_Bot w0.5: v1(68.2,114.2) 76.017,114.2 76.194,114.377 91.341,114.377 91.52,114.199 v1(91.601,114.199)
Load1: Q741.5 Q741.6 Q741.7 Q741.8 X150.3@17.683,4.33 X150.4@17.683,6.87 | length 23.4
  L1_Top w1: v1(17.683,2.05) 18.427,1.306 v1(33.9,1.306)
  L14_Bot w0.3: X150.3@17.683,4.33 X150.4@17.683,6.87
  L14_Bot w1: v1(17.683,2.05) X150.3@17.683,4.33 ; v1(33.9,1.306) v1(33.9,3.406)
Load2: Q800.5 Q800.6 Q800.7 Q800.8 X150.5@20.223,4.33 X150.6@20.223,6.87 | length 24.4
  L1_Top w1: v1(20.3,3.1) 20.994,2.406 37.895,2.406 Q800.5@38.895,3.406 Q800.6@40.165,3.406
  L14_Bot w0.3: X150.6@20.223,6.87 X150.5@20.223,4.33 20.223,3.177 v1(20.3,3.1)